# KiCad board RASBB.kicad_pcb (continued)
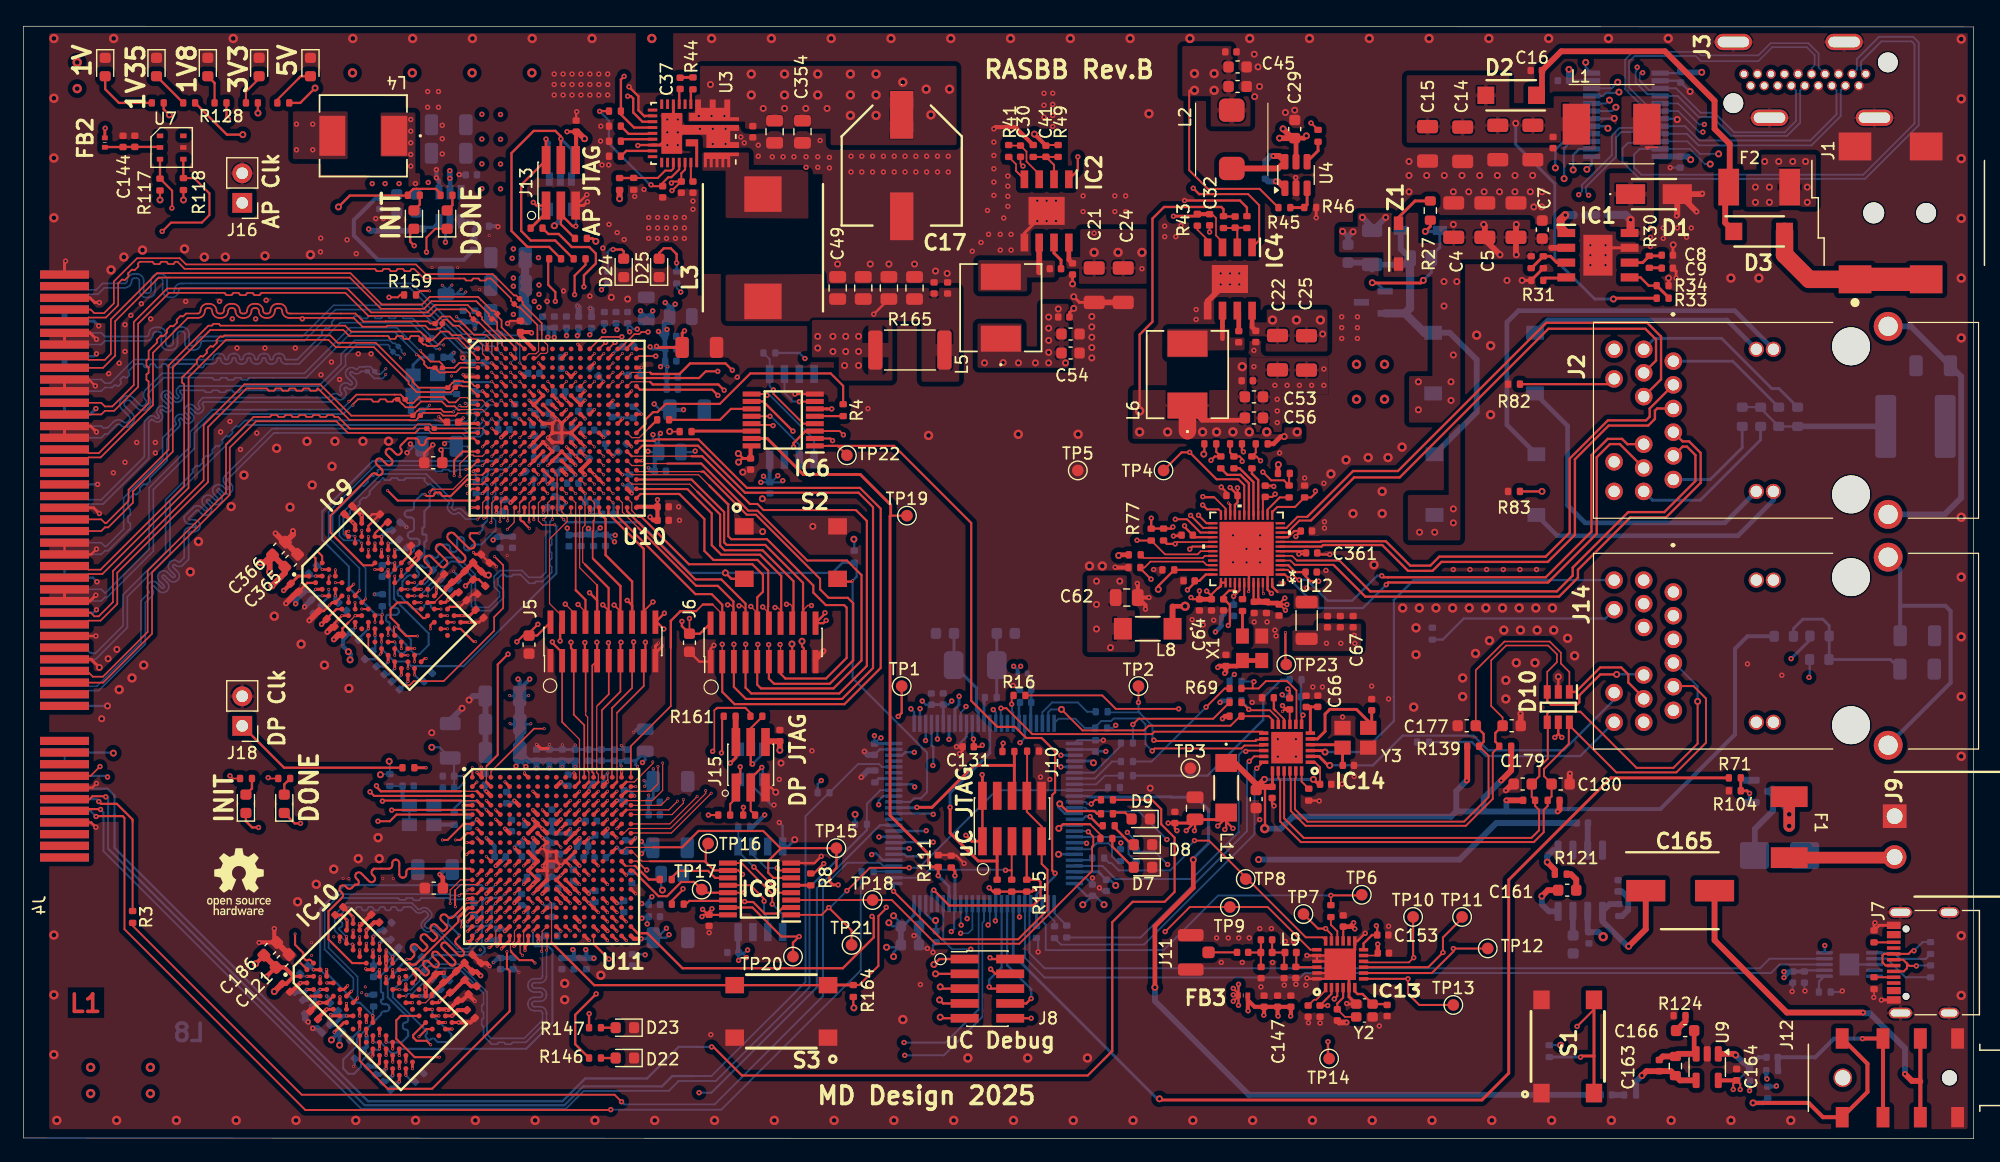
[diagram p0: board, top side]
## Routing (per net, layer and track width the routed paths; a pad name or vN(x,y) marks a point on that pad's centre or on a via; arc(x,y) is an arc through that point) (continued)
/PCIE/RX12_P: length 48.1
  Top w0.1: U10.D5 v2(41.77,65.74)
  In4.Cu w0.1: 37.82,66.26 37.84,66.24 41.27,66.24 v2(41.77,65.74)
  In4.Cu w0.142: v2(36.05,68.08) 36.05,68 36.36,67.69 36.36,66.6 36.7,66.26 37.82,66.26
  Bottom w0.142: v2(36.05,68.08) 36.01,68.11 35.54,68.11 35.04,68.61 R180.2 34.83,68.93 34.83,68.95 34.66,69.12 34.64,69.12 33.4,70.36 32.63,70.36 arc(32.56,70.38) 32.53,70.45 arc(32.51,70.52) 32.44,70.55 32.03,70.55 arc(31.96,70.52) 31.93,70.45 arc(31.91,70.38) 31.84,70.36 31.43,70.36 arc(31.36,70.38) 31.33,70.45 arc(31.31,70.52) 31.24,70.55 30.83,70.55 arc(30.76,70.52) 30.73,70.45 arc(30.71,70.38) 30.64,70.36 30.23,70.36 arc(30.16,70.38) 30.13,70.45 arc(30.11,70.52) 30.04,70.55 29.63,70.55 arc(29.56,70.52) 29.53,70.45 arc(29.51,70.38) 29.44,70.36 29.03,70.36 arc(28.96,70.38) 28.93,70.45 arc(28.91,70.52) 28.84,70.55 28.43,70.55 arc(28.36,70.52) 28.33,70.45 arc(28.31,70.38) 28.24,70.36 27.01,70.36 arc(26.95,70.33) 26.88,70.36 arc(26.81,70.38) 26.74,70.36 26.45,70.07 arc(26.43,70) 26.45,69.93 arc(26.48,69.87) 26.45,69.8 26.16,69.51 arc(26.1,69.48) 26.03,69.51 arc(25.96,69.54) 25.9,69.51 25.61,69.22 arc(25.58,69.15) 25.61,69.08 arc(25.63,69.02) 25.61,68.95 23.48,66.83 22.5,66.83 arc(22.45,66.85) 22.43,66.9 arc(22.3,67.21) 21.98,67.34 21.86,67.34 arc(21.54,67.21) 21.41,66.9 arc(21.39,66.85) 21.34,66.83 21.21,66.83 arc(21.16,66.85) 21.14,66.9 arc(21.01,67.21) 20.7,67.34 20.57,67.34 arc(20.25,67.21) 20.12,66.9 arc(20.1,66.85) 20.05,66.83 19.93,66.83 arc(19.88,66.85) 19.85,66.9 arc(19.72,67.21) 19.41,67.34 19.28,67.34 arc(18.97,67.21) 18.84,66.9 arc(18.82,66.85) 18.77,66.83 18.64,66.83 arc(18.59,66.85) 18.57,66.9 arc(18.44,67.21) 18.12,67.34 18,67.34 arc(17.68,67.21) 17.55,66.9 arc(17.53,66.85) 17.48,66.83 17.35,66.83 arc(17.3,66.85) 17.28,66.9 arc(17.15,67.21) 16.84,67.34 16.71,67.34 arc(16.39,67.21) 16.26,66.9 arc(16.24,66.85) 16.19,66.83 9.48,66.83 7.46,64.81 7,64.81 6.68,65.12 J4.A40
/PCIE/RX13_N: length 47.2
  Top w0.142: U10.A5 42.17,67.87 40.63,69.41 40.63,70.04 40.38,70.29 R181.1 39.91,70.57 39.91,70.76 38.84,71.83 35,71.83 34.35,71.18 30.68,71.18 30.24,71.62 30.24,71.63 28,73.86 11.62,73.86 7.88,70.12 7.88,67.16 6.83,66.12 J4.B41
/PCIE/RX13_P: length 46.4
  Top w0.142: U10.A6 42.59,68.12 42.48,68.12 42.1,68.5 ; 42.1,68.5 41.01,69.6 41.01,70.2 40.65,70.56 R181.2 40.37,71.03 40.18,71.03 39,72.21 34.84,72.21 34.19,71.56 30.73,71.56 28.05,74.24 11.46,74.24 7.5,70.28 7.5,67.32 6.99,66.81 5.6,66.81 5.28,67.12 ; 42.1,68.5 42.15,68.45
/PCIE/RX14_N: length 46.2
  Top w0.1: U10.B4 v2(40.97,67.34)
  Bottom w0.1: v2(40.97,67.34) 40.79,67.52
  Bottom w0.142: 39.57,67.97 39.22,68.32 38.52,68.32 38.3,68.1 R182.1 37.78,67.82 34.12,71.49 26.61,71.49 23.93,68.81 15.42,68.81 arc(15.01,68.64) 14.85,68.23 arc(14.79,68.09) 14.64,68.03 14.42,68.03 arc(14.28,68.09) 14.22,68.23 14.22,69.02 arc(14.05,69.44) 13.63,69.61 13.43,69.61 arc(13.02,69.44) 12.85,69.02 12.85,68.22 arc(12.78,68.07) 12.63,68 12.43,68 arc(12.28,68.07) 12.22,68.22 12.22,69.01 arc(12.05,69.42) 11.64,69.59 11.34,69.59 arc(10.93,69.42) 10.76,69.01 arc(10.7,68.87) 10.56,68.81 7,68.81 6.68,69.12 J4.A44 ; 39.57,67.97 40.34,67.97 40.79,67.52 ; 39.57,67.97 39.54,67.97
/PCIE/RX14_P: length 46.1
  Top w0.1: U10.C4 v2(40.97,66.54)
  Bottom w0.1: 40.29,67.22 v2(40.97,66.54)
  Bottom w0.142: 40.29,67.22 39.91,67.6 39.42,67.6 39.2,67.82 R182.2 38.73,67.61 38.73,67.59 38.56,67.42 38.04,67.42 38.02,67.45 37.63,67.45 33.96,71.11 26.77,71.11 24.09,68.43 15.42,68.43 arc(15.28,68.37) 15.22,68.23 arc(15.05,67.82) 14.64,67.65 14.42,67.65 arc(14.01,67.82) 13.85,68.23 13.85,69.02 arc(13.78,69.17) 13.63,69.24 13.43,69.24 arc(13.28,69.17) 13.22,69.02 13.22,68.22 arc(13.05,67.8) 12.63,67.63 12.43,67.63 arc(12.02,67.8) 11.85,68.22 11.85,69.01 arc(11.79,69.15) 11.64,69.21 11.34,69.21 arc(11.2,69.15) 11.14,69.01 arc(10.97,68.6) 10.56,68.43 7,68.43 6.68,68.12 J4.A43
/PCIE/RX15_N: length 50.1
  Top w0.1: 44.18,68.44 44.18,67.55 43.96,67.33 43.36,67.33 U10.B6
  Top w0.142: 5.28,70.12 5.6,70.43 7.08,70.43 8.14,71.49 8.14,73.37 8.44,73.67 arc(8.51,73.7) 8.58,73.67 arc(8.65,73.64) 8.72,73.67 9,73.96 arc(9.03,74.03) 9,74.1 arc(8.97,74.17) 9,74.24 9.29,74.52 arc(9.36,74.55) 9.43,74.52 arc(9.5,74.49) 9.57,74.52 9.85,74.8 arc(9.88,74.88) 9.85,74.95 arc(9.82,75.02) 9.85,75.09 9.98,75.22 11.06,75.22 arc(11.13,75.19) 11.16,75.12 arc(11.19,75.05) 11.26,75.02 11.66,75.02 arc(11.73,75.05) 11.76,75.12 arc(11.79,75.19) 11.86,75.22 12.26,75.22 arc(12.33,75.19) 12.36,75.12 arc(12.39,75.05) 12.46,75.02 12.86,75.02 arc(12.93,75.05) 12.96,75.12 arc(12.99,75.19) 13.06,75.22 13.22,75.22 13.83,74.61 30.12,74.61 arc(30.19,74.58) 30.22,74.51 arc(30.25,74.44) 30.32,74.41 30.72,74.41 arc(30.79,74.44) 30.82,74.51 arc(30.85,74.58) 30.92,74.61 31.32,74.61 arc(31.39,74.58) 31.42,74.51 arc(31.45,74.44) 31.52,74.41 31.92,74.41 arc(31.99,74.44) 32.02,74.51 arc(32.05,74.58) 32.12,74.61 32.52,74.61 arc(32.59,74.58) 32.62,74.51 arc(32.65,74.44) 32.72,74.41 33.12,74.41 arc(33.19,74.44) 33.22,74.51 arc(33.25,74.58) 33.32,74.61 33.51,74.61 34.34,73.78 37.82,73.78 arc(37.88,73.76) 37.9,73.7 arc(37.93,73.63) 37.99,73.61 38.42,73.61 arc(38.48,73.63) 38.5,73.7 arc(38.53,73.76) 38.59,73.78 39.02,73.78 arc(39.08,73.76) 39.1,73.7 arc(39.13,73.63) 39.19,73.61 39.62,73.61 arc(39.68,73.63) 39.7,73.7 arc(39.73,73.76) 39.79,73.78 40.09,73.78 41.81,72.06 41.81,71.87 R183.1 42.37,71.31 42.56,71.31 44.08,69.79 44.08,68.54 44.18,68.44
/PCIE/RX15_P: length 50.6
  Top w0.1: 44.46,68.97 44.46,68.56 44.96,68.06 44.96,67.49 44.81,67.35 44.35,67.35 43.94,66.94 U10.B7
  Top w0.142: 44.46,68.97 44.46,69.95 42.83,71.58 42.83,71.77 R183.2 42.27,72.33 42.08,72.33 40.25,74.16 34.5,74.16 33.67,74.99 13.95,74.99 13.42,75.52 9.76,75.52 7.76,73.53 7.76,71.65 6.92,70.81 6.09,70.81 5.77,71.12 J4.B46
/PCIE/RX16_N: length 47.1
  Top w0.1: U10.C5 v2(41.77,66.54)
  Bottom w0.1: 42.23,68.49 42.23,67 v2(41.77,66.54)
  Bottom w0.142: 42.23,68.49 42.19,68.53 41.4,68.53 41.27,68.4 R184.1 40.71,68.61 40.69,68.61 40.52,68.78 40.52,68.8 40.39,68.93 39.8,68.93 39.5,68.63 37.49,68.63 33.14,72.98 13.55,72.98 arc(13.39,72.92) 13.32,72.76 arc(13.15,72.34) 12.73,72.16 12.55,72.16 arc(12.12,72.34) 11.95,72.76 11.95,73.59 arc(11.88,73.75) 11.72,73.82 11.55,73.82 arc(11.39,73.75) 11.32,73.59 11.32,72.75 arc(11.15,72.33) 10.72,72.15 10.55,72.15 arc(10.13,72.33) 9.95,72.75 9.95,73.58 arc(9.88,73.74) 9.73,73.81 9.51,73.81 arc(9.35,73.74) 9.28,73.58 arc(9.11,73.16) 8.69,72.98 6.95,72.98 6.4,72.43 5.6,72.43 5.28,72.12
/PCIE/RX16_P: length 47.4
  Top w0.1: U10.C6 v2(42.57,66.54)
  Bottom w0.1: v2(42.57,66.54) 42.57,68.74
  Bottom w0.142: 5.28,73.12 5.6,72.81 6.24,72.81 6.79,73.36 8.69,73.36 arc(8.84,73.42) 8.91,73.58 arc(9.09,74) 9.51,74.18 9.73,74.18 arc(10.15,74) 10.32,73.58 10.32,72.75 arc(10.39,72.59) 10.55,72.52 10.72,72.52 arc(10.88,72.59) 10.95,72.75 10.95,73.59 arc(11.13,74.01) 11.55,74.19 11.72,74.19 arc(12.15,74.01) 12.32,73.59 12.32,72.76 arc(12.39,72.6) 12.55,72.53 12.73,72.53 arc(12.88,72.6) 12.95,72.76 arc(13.12,73.18) 13.55,73.36 33.3,73.36 37.65,69.01 39.34,69.01 39.64,69.31 40.54,69.31 40.81,69.04 R184.2 41.27,69.04 41.4,68.91 42.4,68.91 42.57,68.74
/PCIE/SMCLK: length 101.2
  Top w0.186: v4(6.62,28.24) 6.59,28.27 3.68,28.27
  Bottom w0.16: 6.87,27.32 6.87,24.67 28.97,2.57 46.53,2.57 48.06,4.1 55.34,4.1 56.19,4.95 59.38,4.95 67.41,12.98 67.41,21.55 67.47,21.61 ; IC12.92 73.49,29.89 72.33,28.73 R10.1
  Bottom w0.186: 67.47,21.61 72.33,26.47 R10.1 ; v4(6.62,28.24) 6.87,27.99 6.87,27.32
/PCIE/SMDAT: length 103.4
  Top w0.186: 5.4,29.12 5.68,29.12 5.93,29.37 7.02,29.37 v4(7.07,29.32)
  Bottom w0.16: 7.37,24.77 7.27,24.87 7.27,27.67 ; 69.07,29.67 67.07,27.67 67.07,13.44 59,5.37 57.53,5.37 ; 69.13,29.68 71.58,32.13 73.38,32.13 73.62,31.89 IC12.96
  Bottom w0.186: v4(7.07,29.32) 7.22,29.32 7.27,29.27 7.27,27.67
  Bottom w0.2: 57.53,5.37 55.64,5.37 54.76,4.49 48.02,4.49 46.4,2.88 29.26,2.88 7.37,24.77
/POWER/PGOOD_1V: length 82.7
  Top w0.17: IC4.1 105.97,77.06 105.97,80.07 105.02,81.02 102.02,81.02 ; 51.22,88.16 R35.2
  Top w0.2: IC2.1 90.42,83.06 v4(90.42,84.22) ; v4(51.52,91.12) 51.24,90.84 R35.2 51.24,87.85 52.36,86.73 U3.13 ; 102.02,81.02 100.82,81.02 v4(100.32,81.52)
  In4.Cu w0.2: 88.12,92.62 89.22,92.62 v4(100.32,81.52) ; 88.12,92.62 90.42,90.32 v4(90.42,84.22) ; 88.12,92.62 52.45,92.62 51.52,91.69 v4(51.52,91.12)
/POWER/PGOOD_1V8: length 4.6
  Top w0.141: R41.1 84.54,85.18 C30.1 86.02,84.66 86.02,83.82 87.11,82.73 IC2.3
/POWER/PGOOD_3V3: length 74
  Top w0.141: 102.82,76.45 102.82,76.91 102.27,77.47 102.27,78.97 101.94,79.3 C32.1
  Top w0.25: 100.85,79.13 98.63,79.13 v4(98.62,79.12)
  Top w0.35: C32.1 100.7,79.3 R43.1
  In4.Cu w0.25: v4(98.62,79.12) 97.12,79.12 96.17,78.17 60.92,78.17 58.57,75.82 51.02,75.82 50.09,74.89 37.65,74.89 36.19,76.34 v4(36.19,76.89)
  Bottom w0.25: IC3.5 36.19,78.28 v4(36.19,76.89)
/POWER/VSEN_P: length 42.7
  Top w0.2: v4(51.82,89.42) 52.1,89.42 52.29,89.23 52.29,88.03 53.09,87.23 U3.12 ; v4(72.92,70.72) C46.1
  In3.Cu w0.2: v4(72.92,70.72) 72.59,70.72 70.29,73.02 57.82,73.02 56.72,74.12 55.85,74.12 49.9,80.08 49.9,82.21 50.99,83.31 50.99,88.59 v4(51.82,89.42) 51.78,89.46
/RF_Transceiver/BUSY_LORA_G: length 76.7
  Top w0.177: TP13.1 119.7,11.47 118.73,12.44 v4(118.73,13.71) IC13.7
  In3.Cu w0.2: v4(80.24,37.95) 81.94,39.64 102.65,39.64 102.93,39.36 105.01,39.36 106.19,40.54 112.47,40.54 114.27,38.74
  In3.Cu w0.25: 114.27,38.74 121.04,31.97 121.04,16.02 v4(118.73,13.71)
  Bottom w0.25: v4(80.24,37.95) 80.24,37.22 79.88,36.86 IC12.8
/RF_Transceiver/DIO1_LORA_G: length 84.1
  Top w0.177: IC13.8 120.78,14.21 122.62,16.05 v4(122.62,16.31) 125.56,16.31
  In3.Cu w0.177: v4(122.62,16.31) 122.62,36.87 118.09,41.4 80.26,41.4 76.11,37.25 v4(76.11,36.87)
  Bottom w0.177: v4(76.11,36.87) 76.38,36.6 IC12.1
/RF_Transceiver/DIO2_LORA_G: length 80.9
  Top w0.177: 123.37,18.9 121.73,17.26 v4(121.73,15.97) 120.47,14.71 IC13.9
  In3.Cu w0.177: v4(121.73,15.97) 121.74,15.98 121.74,36.05 116.77,41.02 81.57,41.02 77.43,36.88 v4(76.89,36.88)
  Bottom w0.177: IC12.2 76.88,36.87 v4(76.89,36.88)
/RF_Transceiver/DIO3_LORA_G: length 70.7
  Top w0.141: IC13.10 115.01,15.12 118.81,15.12 v4(119.22,15.53)
  Top w0.177: TP10.1 119.17,15.58 v4(119.22,15.53)
  In3.Cu w0.141: 113.88,38.23 120.52,31.59 120.52,16.52 119.53,15.53 v4(119.22,15.53) ; v4(80.83,37.07) 81.75,37.99
  In3.Cu w0.2: 113.88,38.23 112.22,39.89 107.44,39.89 105.54,37.99 81.75,37.99
  Bottom w0.141: IC12.9 80.38,36.55 80.83,37 v4(80.83,37.07)
/RF_Transceiver/LORA_VDDIO: length 13.4
  Top w0.141: IC13.11 115.93,15.71 C152.1
  Top w0.177: C154.1 113.18,16.97
  Top w0.35: v4(108.67,10.52) 108.69,10.54 C148.1 C147.1 ; C147.1 107.55,10.56 v4(107.59,10.52) ; C147.1 C146.1 ; v4(106.37,10.59) 106.39,10.61 C146.1 ; v4(114.17,17.99) 113.97,18.19 C154.1 113.74,18.19 v4(114.07,18.52) ; v4(105.02,10.97) 105,10.99 FB3.2 105,11.89 105.58,11.31 C146.1 ; v4(116.14,16.69) C152.1
/RF_Transceiver/NRST_LORA_G: length 54.7
  Top w0.177: IC13.3 112.67,12.24 v4(112.41,11.98)
  Top w0.2: v4(111.87,8.32) 111.87,6.97
  In3.Cu w0.141: 111.25,9.2 112.35,10.3 112.35,11.92 v4(112.41,11.98)
  In3.Cu w0.2: 111.77,9.72 112.12,9.37 112.12,8.57 v4(111.87,8.32)
  In3.Cu w0.25: v4(79.38,34.25) 79.38,31.02 90.27,20.13 90.27,17 98.07,9.2 111.25,9.2
  Bottom w0.25: IC12.7 v4(79.38,34.25)
/RF_Transceiver/SPI_MISO_LORA_G: length 2.3
  Top w0.16: R22.2 112.12,18.34 112.67,17.79 IC13.16
/RF_Transceiver/SPI_MOSI_LORA_G: length 41.5
  Top w0.16: v4(111.67,18.02) 112.17,17.52 IC13.17 ; v4(99.07,36.87) 93.67,36.87 92.52,38.02 R16.2
  Top w0.177: TP7.1 111.02,18.02 v4(111.67,18.02)
  In4.Cu w0.16: 111.67,18.07 v4(111.67,18.02)
  In4.Cu w0.25: v4(99.07,36.87) 99.29,36.87 106.76,29.4 106.76,28.35 107.25,27.87 107.25,22.49 111.67,18.07
/RF_Transceiver/SPI_NSS_LORA_G: length 38.5
  Top w0.16: IC13.19 110.36,16.21 106.7,19.87 TP9.1 100.02,19.87 v4(97.91,17.76)
  In4.Cu w0.2: v4(81.24,16.25) 82.19,16.25 82.72,16.78 96.93,16.78
  In4.Cu w0.25: v4(97.91,17.76) 96.93,16.78
  Bottom w0.16: v4(81.24,16.25) 79.64,16.25 78.88,17.01 IC12.70
/RF_Transceiver/SPI_SCK_LORA_G: length 24.3
  Top w0.16: v4(100.42,25.57) 101.67,25.57 109.97,17.27 111.42,17.27 111.67,17.02
  Bottom w0.16: R15.2 93.11,23.64 93.3,23.64 93.93,23.01 98.33,23.01 99.92,24.6 99.92,25.07 v4(100.42,25.57)
/SCK_FLASH_FPGA2: length 18
  Top w0.186: 55.61,20.31 55.61,20.41 56.57,21.37 v4(56.57,21.43)
  Top w0.25: U11.E9 v2(44.5,28.2)
  In3.Cu w0.186: v2(44.5,28.2) 45.67,27.03 52.72,27.03 56.52,23.23
  In3.Cu w0.2: v4(56.57,21.43) 56.57,23.18 56.52,23.23
/SCK_FLASH_uC: length 118.7
  Top w0.16: v4(61.82,21.12) 61.8,21.1 60.42,21.1 ; v4(64.29,61.16) 64.23,61.22 62.56,61.22
  Top w0.186: 60.42,21.1 58.44,21.1 ; v4(59.54,65.82) 58.52,65.82 57.94,65.24 52.66,65.24 U10.D18 ; TP17.1 57.52,22.02 56.42,22.02 55.2,20.8 54.48,20.8 52.28,23 U11.L18
  In4.Cu w0.16: 94.67,26.87 v4(94.67,26.27) ; 70.17,57.95 70.17,57.97
  In4.Cu w0.2: v4(64.29,61.16) 64.18,61.16 63.56,61.78 63.56,62.3 60.04,65.82 v4(59.54,65.82)
  In4.Cu w0.25: v4(64.29,61.16) 64.29,61.17 66.12,61.17 66.13,61.18 66.96,61.18 70.17,57.97 ; 70.17,57.95 70.24,57.95 94.53,33.66 94.53,27.01 94.67,26.87 ; v4(98.12,23.52) 95.22,20.62 70.59,20.62 70.09,21.12 v4(61.82,21.12)
  Bottom w0.16: v4(98.12,23.52) 97.02,24.62 95.58,24.62 ; R13.1 95.42,25.49 94.67,26.24 v4(94.67,26.27)
/SI_FLASH_FPGA2: length 4
  Top w0.1: 51.62,23.41 51.65,23.39 52.42,23.39
  Top w0.2: U11.K17 51.3,23.74 51.62,23.41 ; 52.42,23.39 52.47,23.39 53.63,22.23 R7.2
/SI_FLASH_uC: length 117.2
  Top w0.1: 53.72,23.79 53.06,23.79 52.25,24.6 U11.J18 ; 53.74,64.92 52.16,64.92 U10.E17
  Top w0.17: v4(61.67,22.67) 61.33,23.01 60.42,23.01
  Top w0.186: 58.52,23.72 58.44,23.79 53.72,23.79 ; 58.52,23.72 59.23,23.01 60.42,23.01 ; 58.52,23.72 58.52,25.12 ; 53.75,64.92 53.97,64.69
  Top w0.2: IC6.10 63.45,63.24 v4(66,60.69) ; v4(60.09,64.19) 59.59,64.69 53.97,64.69
  Top w0.25: v4(66,60.69) 66.02,60.71
  In1.Cu w0.2: v4(94.11,25.37) 94.17,25.37
  In4.Cu w0.141: v4(94.11,25.37) 94.07,25.37
  In4.Cu w0.2: v4(60.09,64.19) 60.09,64.18 64.23,60.04 66.84,60.04 ; 93.42,34.05 93.77,33.7 93.77,27.27 94.21,26.83 94.21,25.48 v4(94.11,25.37) 93.96,25.22 93.19,25.22 93.09,25.32
  In4.Cu w0.25: v4(61.67,22.67) 61.82,22.52 72.57,22.52 77.22,27.17 91.24,27.17 93.09,25.32 ; v4(66,60.69) 66,60.67 85.66,41 85.72,41 86,40.72 86,40.66 92,34.66 92.81,34.66 93.42,34.05
  Bottom w0.141: v4(94.11,25.37) 94.07,25.33 R14.1
/SO_FLASH_FPGA2: length 23.1
  Top w0.1: 52.64,23.8 U11.K18
  Top w0.141: 52.64,23.8 53.39,23.05
  Top w0.2: R8.2 67.79,22.75 v4(68.63,23.59) ; 53.39,23.05 v4(53.45,23.05)
  In3.Cu w0.2: v4(68.63,23.59) 68.88,23.84 68.88,24.63 68.7,24.81 60.41,24.81 58.42,22.82 58.42,21.62 57.57,20.77 56.22,20.77 56.02,20.97 56.02,20.98 53.95,23.05 v4(53.45,23.05)
/SO_FLASH_uC: length 131.8
  Top w0.1: U11.J17 51.69,24.98 53.98,24.98 54,24.99 ; U10.D17 52.16,65.72 53.74,65.72 53.75,65.72
  Top w0.186: 64.92,24.92 63.44,26.39 57.9,26.39 56.5,24.99 54,24.99 ; 64.92,24.92 TP15.1 ; 64.92,24.92 64.92,24.87 63.87,23.82 63.87,22.82 64.32,22.37 IC8.6
  Top w0.2: 69.17,22.02 69.12,22.07 69.12,22.62 69.72,23.22 TP15.1 ; v4(60.79,65.91) 60.21,66.49 57.17,66.49 56.27,65.59 53.87,65.59 53.75,65.72
  Top w0.25: IC6.6 68.88,62.6 68.89,62.59 v4(69.32,62.59) ; 69.17,22.02 69.42,21.77 v4(69.87,21.77)
  In4.Cu w0.2: v4(60.79,65.91) 61.35,65.91 62.02,65.24 64.4,65.24 65.47,64.17 65.47,63.34 66.69,62.12 68.84,62.12 v4(69.32,62.59)
  In4.Cu w0.25: v4(69.87,21.77) 70.34,21.77 70.69,22.12 76.66,22.12 79.88,25.34 v4(91.17,25.34) 91.17,24.97 92.52,23.62 94.57,23.62 97.61,26.66 97.61,36.23 71.25,62.59 v4(69.32,62.59)
  Bottom w0.25: v4(91.17,25.34) 91.12,25.39 IC12.43
/uController/ADC1_IN5: length 71.9
  Top w0.4: v1(97.03,12.98) 97.03,18.23 100.32,21.52 v1(100.32,23.92)
  Bottom w0.2: 91.36,29.32 91.29,29.39 IC12.35
  Bottom w0.25: 91.36,29.32 98.4,29.32 98.42,29.29 100.54,29.29 101.62,28.22 101.62,25.32 100.32,24.02 v1(100.32,23.92)
  Bottom w0.5: v1(97.03,12.98) 97.03,11.81 105.08,3.76 C1.1
/uController/ALARM: length 92.1
  Top w0.25: R71.1 136.12,30.95 127.37,22.2 127.37,5.62 125.07,3.32 97.52,3.32 v1(97.42,3.42)
  Bottom w0.25: v1(97.42,3.42) 97.22,3.42 84.88,15.76 IC12.58
/uController/BOOT0: length 1.8
  Bottom w0.25: R105.1 73.35,30.89 IC12.94
/uController/DBG_JTCK_SWCLK: length 31
  Top w0.17: v4(74.62,21.22) 78.74,17.1 85.3,17.1 87.82,19.62 87.82,23.07 87.32,23.57 J10.9 87.32,26.77 86.05,28.04 J10.8 ; R120.2 86.07,29.43
  Bottom w0.17: v4(74.62,21.22) 74.64,21.24 IC12.76
/uController/DBG_JTDI: length 13.7
  Top w0.16: 84.75,23.02 v4(84.22,23.02) ; 84.75,23.02 R114.1 ; 84.75,23.02 84.75,25.48
  Bottom w0.16: IC12.77 76.99,22.39 77.67,23.07 84.17,23.07 v4(84.22,23.02)
/uController/DBG_JTDO_SWO: length 15.4
  Top w0.25: R119.1 84.98,32.02 ; 84.98,32.02 84.98,29.61 ; 84.98,32.02 81.52,32.02 77.92,28.42 v4(76.62,28.42)
  Bottom w0.25: IC12.89 76.59,28.39 v4(76.62,28.42)
/uController/DBG_JTMS_SWDIO: length 17.2
  Top w0.2: 86.04,25.5 R115.1 87.03,22.21 87.22,22.02 87.22,20.62 86.6,20 79.39,20 v4(78.07,21.32)
  Bottom w0.2: IC12.72 77.88,21.19 78.01,21.32 v4(78.07,21.32)
/uController/PD0_DEBUG: length 15.3
  Top w0.2: v1(78.08,14.94) 78.55,15.41 J8.1
  In3.Cu w0.2: v4(77.02,24.22) 76.87,24.07 76.87,15.77 77.7,14.94 v1(78.08,14.94)
  Bottom w0.2: IC12.81 75.58,24.39 75.75,24.22 v4(77.02,24.22)
/uController/PD1_DEBUG: length 16.8
  Top w0.2: J8.3 v1(78.22,14.14)
  In3.Cu w0.2: v4(75.96,24.88) 75.56,24.48 75.56,23.77 75.3,23.51 75.3,15.74 76.9,14.14 v1(78.22,14.14)
  Bottom w0.2: v4(75.96,24.88) 75.95,24.89 IC12.82
/uController/PD2_DEBUG: length 18.5
  Top w0.2: J8.5 78.77,12.87 v1(78.62,13.02)
  In3.Cu w0.2: v1(78.62,13.02) 78.94,13.34 78.94,24.52 v4(78.02,25.44)
  Bottom w0.2: v4(78.02,25.44) 75.63,25.44 75.58,25.39 IC12.83
/uController/PD4_DEBUG: length 23.8
  Top w0.2: v1(78.56,11.9) 78.87,11.6 J8.7
  In3.Cu w0.2: v1(78.56,11.9) 81.9,15.24 81.9,23.67 79.15,26.42 v4(77.42,26.42)
  Bottom w0.2: IC12.85 77.39,26.39 v4(77.42,26.42)
/uController/PD7_DEBUG: length 27.4
  Top w0.2: v1(78.62,10.42) 78.71,10.33 J8.9
  In3.Cu w0.2: v1(78.62,10.42) 78.62,11.03 82.27,14.68 82.27,25.58 81.14,26.71 81.13,26.71 80.02,27.82 v4(78.02,27.82)
  Bottom w0.2: v4(78.02,27.82) 77.95,27.89 IC12.88
/uController/PD10_DEBUG: length 12.1
  Top w0.2: J8.10 v4(86.42,10.33)
  In3.Cu w0.2: v4(86.42,10.33) 86.42,10.82 85.42,11.82 v4(85.42,19.02)
  Bottom w0.2: IC12.57 85.38,19.06 v4(85.42,19.02)
/uController/PD12_DEBUG: length 10.9
  Top w0.2: J8.8 86,11.6 v4(86.42,12.02)
  Bottom w0.2: v4(86.42,12.02) 86.42,12.82 84.36,14.88 84.36,20.13
/uController/PD13_DEBUG: length 9.4
  Top w0.2: J8.6 82.97,12.87 v4(82.82,13.02)
  Bottom w0.2: v4(82.82,13.02) 82.82,13.62 83.88,14.68 IC12.60
/uController/PD14_DEBUG: length 7.6
  Top w0.2: v4(82.94,14.54) 83.35,14.14 J8.4
  In3.Cu w0.2: v4(82.94,14.54) 83.36,14.96 83.36,18.68 v4(83.35,18.69)
  Bottom w0.2: IC12.61 83.38,18.72 v4(83.35,18.69)
/uController/PD15_DEBUG: length 6.5
  Top w0.2: v4(82.89,15.52) 83,15.41 J8.2
  In3.Cu w0.2: v4(82.89,15.52) 82.73,15.68 v4(82.73,18.33)
  Bottom w0.141: v4(82.73,18.33) 82.88,18.48 IC12.62
/uController/uC_CONFIG: length 90.3
  Top w0.177: v4(133.23,9.63) 134.68,11.08 S1.4
  Top w0.25: 134.68,7.09 133.63,7.09 v4(133.53,6.99) ; 134.68,7.09 S1.4 ; 134.68,7.09 S1.3
  In3.Cu w0.177: v4(133.23,9.63) 119.44,9.63 118.1,10.97 118.1,33.12 116.45,34.77 85.2,34.77 v4(83.17,36.8)
  Bottom w0.177: IC12.15 83.38,36.59 v4(83.17,36.8)
  Bottom w0.25: v4(133.53,6.99) 133.52,7 R96.2
/uController/uC_DAC2_OUT2: length 47.9
  In3.Cu w0.5: v1(91.76,32.24) 95.6,32.24 103.9,23.94 v1(105.92,23.94)
  Bottom w0.25: v1(91.76,32.24) 91.61,32.39 IC12.29
  Bottom w0.5: v1(105.92,23.94) 123.16,23.94 126.3,27.08 C2.1
/uController/uC_ETH_CRS_DV: length 5
  Bottom w0.16: IC12.31 91.79,31.39 94.12,33.72
/uController/uC_ETH_REF_CLK: length 6.2
  Bottom w0.16: IC12.23 87.38,36.58 88.22,37.42 90.42,37.42 91.22,36.62 R18.2
/uController/uC_ETH_RXD0: length 4.6
  Bottom w0.16: IC12.32 91.89,30.89 93.35,32.35 R23.2
/uController/uC_ETH_RXD1: length 4.3
  Bottom w0.16: IC12.33 91.99,30.39 92.74,31.14 R24.2
/uController/uC_ETH_TXD0: length 2.3
  Bottom w0.16: 88.42,20.11 88.42,19.33 R19.2
/uController/uC_ETH_TXD1: length 2.2
  Bottom w0.16: R17.2 88.42,18.66 87.88,19.2 IC12.52
/uController/uC_GR: length 2.9
  Top w0.2: R109.1 92.25,26.84 v4(91.47,27.62)
  Bottom w0.2: IC12.39 90.84,27.39 91.12,27.67 91.42,27.67 v4(91.47,27.62)
/uController/uC_I2C3_SCL: length 156.9
  Top w0.177: R117.1 12.76,81.31 12.76,79.84
  Top w0.2: U7.3 R117.1
  In4.Cu w0.177: 77.57,5.65 79.52,7.6 79.52,15.87 80.86,17.21 80.86,17.88 v4(80.42,18.32) ; v4(12.74,79.82) 12.74,13.4 19.52,6.62
  In4.Cu w0.2: 19.52,6.62 22.57,3.57 39.47,3.57 41.57,5.67 77.55,5.67 77.57,5.65
  Bottom w0.177: IC12.67 80.38,18.36 v4(80.42,18.32)
/uController/uC_I2C3_SDA: length 163.4
  Top w0.177: R118.1 14.65,82.39 15.96,81.08 15.96,79.23 15.31,78.58 12.67,78.58 v4(11.91,77.82)
  Top w0.2: U7.4 13.72,82.4
  In4.Cu w0.177: v4(80.93,18.87) 81.32,18.48 81.32,17.23 80.3,16.21 80.3,7.38 78.4,5.47 ; 19.62,5.32 11.91,13.03 v4(11.91,77.82)
  In4.Cu w0.2: 19.62,5.32 21.93,3.01 40.01,3.01 42.17,5.17 78.09,5.17 78.4,5.47
  Bottom w0.177: v4(80.93,18.87) 80.88,18.92 IC12.66
/uController/uC_NRST: length 19.1
  Top w0.25: 83.5,23.82 81.87,23.82 79.47,26.22 v4(79.47,28.42) ; 83.5,23.82 83.5,25.5 ; 83.5,23.82 R116.1
  Bottom w0.25: IC12.14 82.88,33.08 79.47,29.67 v4(79.47,28.42)
/uController/uC_OSC_IN: length 8.6
  Bottom w0.25: IC12.12 81.88,36.62 81.72,36.78 81.72,38.67 Y1.1 ; C139.1 79.81,40.65
/uController/uC_RED: length 5.8
  Top w0.141: 91.47,26.97 92.46,25.98
  Top w0.2: 92.46,25.98 92.46,25.84 ; v1(88.79,26.62) 89.14,26.97 91.47,26.97
  Bottom w0.2: IC12.40 89.06,26.89 v1(88.79,26.62)
/uController/uC_SPI2_MISO: length 33.9
  Top w0.16: v4(112.12,20.87) R22.1
  Top w0.177: 114.72,20.87 v4(112.12,20.87)
  Bottom w0.16: v4(112.12,20.87) 102.47,20.87 97.77,16.17 87.67,16.17 87.67,18.35 87.38,18.64 IC12.53
/uController/uC_SPI2_MOSI: length 2.3
  Top w0.16: v4(84.75,37.27) 84.75,37.86
  Bottom w0.16: IC12.18 84.88,36.54 84.77,36.65 84.77,37.25 v4(84.75,37.27)
/uController/uC_SPI2_SCK: length 1.4
  Bottom w0.16: IC12.46 91.48,23.89
/uController/uC_SPI3_MISO: length 86
  Top w0.16: v4(51.29,3.17) 50.69,3.77 23.87,3.77 9.37,18.27 R3.2
  Bottom w0.16: IC12.79 73.74,23.39 73.46,23.67 70.67,23.67 68.56,21.56 68.56,12.22 59.28,2.94 51.53,2.94 v4(51.29,3.17)
/uController/uC_SPI3_MOSI: length 2.5
  Top w0.16: R12.2 91.93,29.07 v4(91.57,28.71)
  Bottom w0.16: v4(91.57,28.71) 91.26,28.71 91.08,28.89 IC12.36
/uController/uC_SPI3_SCK: length 1.7
  Bottom w0.16: R11.2 74.62,22.91
/uController/uC_SPI4_MOSI: length 5.2
  Bottom w0.16: 90.18,24.83 91.53,24.83 92.03,25.33 93.05,25.33 93.35,25.03 93.35,24.21 93.75,23.81 R14.2
/uController/uC_SPI4_SCK: length 6.8
  Bottom w0.16: R13.2 94.77,24.41 94.77,25.42 94.3,25.89 IC12.42
/uController/uC_UART3_RX: length 74.4
  Bottom w0.16: 154.43,14.94 150.59,14.94 149.86,14.21 109.89,14.21 109.5,13.82 87.57,13.82 85.88,15.51 IC12.56
/uController/uC_UART3_TX: length 73.3
  Bottom w0.16: 154.43,15.44 149.74,15.44 148.92,14.62 87.57,14.62 86.27,15.92 86.27,20.04 IC12.55
/uController/uC_VCAP: length 24.5
  In1.Cu w0.2: v1(78.22,18.72) 80.22,20.72 92.92,20.72 93.67,21.47 v1(93.67,21.72)
  Bottom w0.2: v1(78.22,18.72) 78.27,18.67 C143.1 78.27,18.42 77.38,19.31 IC12.73 ; v1(93.67,21.72) 93.19,22.2 C141.1 92.4,22.67
  Bottom w0.25: 92.4,22.67 92.18,22.89 IC12.48
/uController/uC_VDDA: length 4.4
  Bottom w0.25: C132.1 C130.1 86.42,39.56 FB1.2 ; IC12.21 86.38,37.38
/uController/uC_YL: length 5.8
  Top w0.2: v1(88.87,28.72) 89.49,28.1 91.84,28.1 92.07,27.87 R110.1
  Bottom w0.2: v1(88.87,28.72) 88.77,28.62 88.77,28.41 88.93,28.25 88.94,28.25 89.3,27.89 IC12.38
/VDC_IN: length 12.3
  Top w0.5: C5.1 125.32,78.32 v1(125.22,78.42) ; 131.02,76.42 131.03,76.41 IC1.2 ; v1(128.02,75.82) 127.99,75.85 C6.1 127.99,78.39 v1(128.02,78.42) ; 125.32,77.12 v1(126.62,75.82)
  Bottom w0.4: v1(113.12,77.82) 113.59,77.35 C3.1
  Bottom w0.5: 115.7,77.9 v1(116.82,79.02) ; C3.1 113.59,77.36 v1(114.02,77.79) ; 115.66,78.18 v1(114.82,79.02) ; 121,52.03 v1(121.02,52.02)
  vias: v1(119.62,64.92) v1(119.62,62.52) v1(119.72,52.02) v1(121.82,73.52) v1(121.82,71.42) v1(122.42,64.92) v1(122.42,63.32) v1(122.62,78.42) v1(122.62,67.22) v1(122.62,54.02) v1(122.62,52.82) v1(122.92,73.52)
Net-(C1-Pad2): length 1
  Bottom w0.5: R21.1 136.23,3.75
Net-(C9-Pad1): length 1
  Top w0.25: R30.1 140.46,74.7
Net-(C10-Pad2): length 1
  Bottom w0.7: C10.2 134.88,79.22
Net-(C16-Pad1): length 30.3
  Top w0.5: 145.93,81.62 146.32,82.01 146.32,85.32 145.02,86.62 145.02,89.02 140.77,93.27 131.87,93.27 C16.1 130.22,89.96 D2.1 ; D3.1 145.93,78.56 145.93,80.14
Net-(C37-Pad2): length 1.1
  Top w0.25: R44.2 56.35,91.03 C37.2
Net-(C73-Pad1): length 12.9